# Allegro board AX7021-2019-04-01.brd (continued)
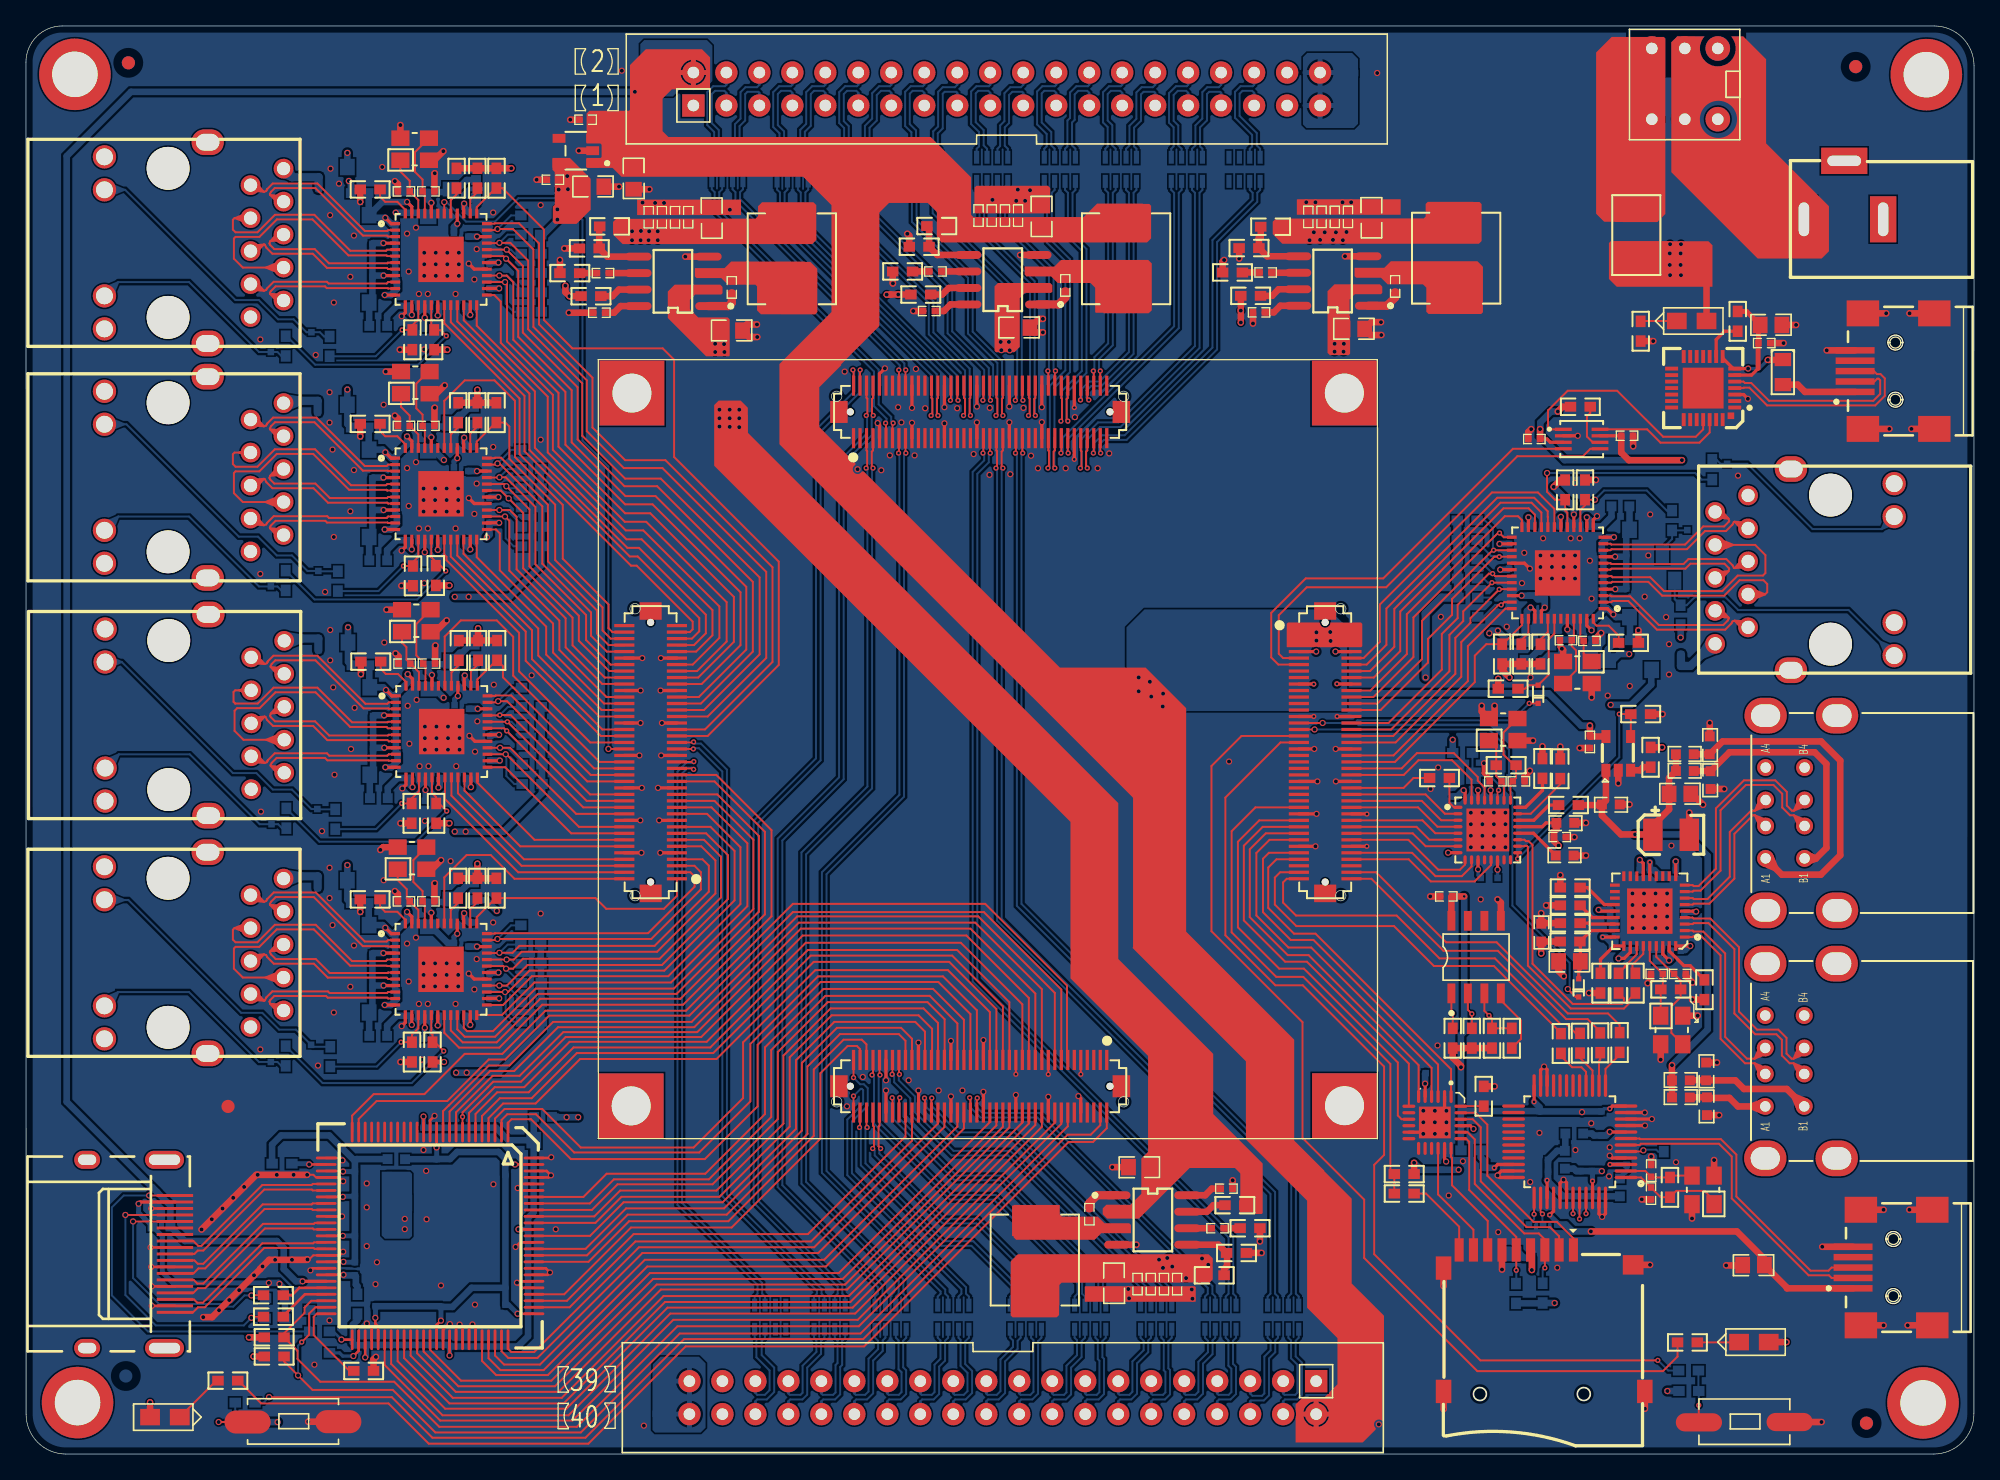
[diagram p0: board, top side]
## Routing (per net, layer and track width the routed paths; a pad name or vN(x,y) marks a point on that pad's centre or on a via; arc(x,y) is an arc through that point) (continued)
PL_LED: length 80.2
  TOP w0.152: CON4.2 83.23,25.1 82.17,24.04 80.29,24.04 64.54,8.29 50.8,8.29 43.31,0.8 31.01,0.8 27.92,3.9 18.11,3.9 16.36,5.65 R133.1
PS_KEY: length 76.4
  TOP w0.152: v2(125.66,7.21) 112,7.21 103.82,15.39 103.82,22.28 104.58,23.04 104.58,29.84 98.32,36.11 96.21,36.11 92.36,39.96 92.36,50.57 96.6,54.81 CON1.37
  BOTTOM w0.152: R121.2 126.46,6.43 125.68,7.21 v2(125.66,7.21)
PS_LED: length 79.8
  TOP w0.152: R131.1 127.18,7.51 126.05,6.39 111.76,6.39 103.05,15.1 103.05,19.6 98.3,24.35 98.3,33.26 91.29,40.27 91.29,53 93.6,55.31 CON1.35
RGMII_VCC: length 98.7
  TOP w0.254: U12.34 v1(34.73,75.71) ; U12.16 v1(30.71,69.46) ; U11.34 v1(34.78,57.4) ; U13.16 v1(30.71,87.52) ; U11.40 v1(33.26,58.39) ; U10.40 v1(33.21,40.08) ; U12.40 v1(33.21,76.71) ; U10.16 v1(30.71,32.84) ; U11.16 v1(30.76,51.15) ; U10.34 v1(34.73,39.09) ; U13.34 v1(34.73,93.77) ; U13.40 v1(33.21,94.77)
  TOP w0.381: R60.2 v1(32.2,30.2)
  TOP w0.508: R76.2 R71.1 ; R71.1 R72.2 ; R71.1 v1(34.81,63.6) ; R85.1 v1(34.76,81.98) ; R85.1 R86.2 ; R85.1 R90.2 ; R102.2 v1(32.45,85.06) ; R57.1 v1(34.76,45.47) ; R57.1 R58.2 ; R57.1 R62.2 ; R104.2 R99.1 R100.2 v1(37.38,99.03) ; R74.2 v1(32.6,48.59) ; R88.2 v1(32.6,66.9)
  BOTTOM w0.381: C84.1 32.95,39.82 v1(33.21,40.08) ; v1(30.71,69.46) 30.67,69.42 C135.1 ; v1(30.76,51.15) 30.72,51.1 C111.1 ; C109.1 33,58.14 v1(33.26,58.39) ; C137.1 32.95,76.45 v1(33.21,76.71) ; v1(30.71,32.84) 30.67,32.79 C83.1
  BOTTOM w0.508: v1(34.78,57.4) 34.78,57.4 C110.1 ; v1(30.71,87.52) 30.67,87.48 C161.1 ; v1(33.02,66.03) v1(34.09,66.03) 37.24,66.03 39.68,68.47 R91.2 R92.2 R93.2 39.66,72.95 R94.2 39.63,74.42 R89.2 ; v1(33.12,29.37) v1(33.94,29.37) 36.4,29.37 39.68,32.66 R63.2 R64.2 R65.2 39.66,36.32 R66.2 39.63,37.79 R61.2 ; C82.1 31.23,40.61 32.47,39.37 C84.1 ; C134.1 31.51,77.24 v1(32.18,76.57) ; C85.1 34.73,39.09 v1(34.73,39.09) ; C163.1 32.95,94.51 v1(33.21,94.77) ; v1(33.02,47.94) v1(33.86,47.94) 36.78,47.94 39.74,50.9 R77.2 R78.2 R79.2 39.71,54.63 R80.2 39.68,56.11 R75.2 ; C136.1 34.07,75.71 v1(34.73,75.71) ; v1(40.92,95.87) v1(40.92,95.08) 40.92,95.01 39.84,93.93 R103.2 39.63,92.48 R108.2 39.66,91 R107.2 R106.2 R105.2 ; C160.1 v1(24.75,100.22) ; v1(34.73,93.77) 34.73,93.78 C162.1 ; C108.1 31.48,58.93 v1(32.16,58.25)
  vias: v1(41.02,97.4) v1(41.68,98.44) v1(41.73,97.42)
SD_CD: length 40.3
  TOP w0.152: R20.2 R19.1 105.06,21.87 105.06,30.05 98.36,36.75 96.28,36.75 92.84,40.19 92.84,47.97 94.68,49.81 CON1.57
SD_CLK: length 33.6
  TOP w0.152: U5.9 105.93,25.79 105.64,26.08 105.64,30.16 98.41,37.39 96.5,37.39 93.32,40.57 93.32,47.16 94.97,48.81 CON1.61
SD_CMD: length 29.1
  TOP w0.152: CON1.67 95.76,47.31 94.75,46.3 94.75,41.48 97.22,39.01 98.97,39.01 108.24,29.74 U5.4
SD_D0: length 29.7
  TOP w0.152: U5.6 107.24,29.96 98.77,38.43 97.16,38.43 94.24,41.36 94.24,46.58 95.47,47.81 CON1.65
SD_D1: length 31.2
  TOP w0.152: U5.7 106.49,26.79 106.49,30.07 98.64,37.92 96.96,37.92 93.78,41.1 93.78,46.86 95.24,48.31 CON1.63
SD_D2: length 27.1
  TOP w0.152: U5.1 109.74,29.64 99.3,40.08 97.65,40.08 95.66,42.07 95.66,45.18 96.3,45.81 CON1.73
SD_D3: length 27.9
  TOP w0.152: CON1.71 95.71,46.31 95.25,45.85 95.25,41.74 97.39,39.6 99.15,39.6 108.74,30.01 U5.3
TX_0N: length 13.7
  TOP w0.152: J9.9 12.97,14.91 13.23,14.66 13.65,14.66 18.23,19.23 22,19.23 22.08,19.3 U9.33
TX_0P: length 13.7
  TOP w0.152: J9.7 12.9,13.91 13.29,14.3 13.8,14.3 18.37,18.87 22.01,18.87 22.08,18.8 U9.34
TX_1N: length 13.7
  TOP w0.152: J9.6 12.91,13.41 13.19,13.13 13.65,13.13 18.25,17.73 22.17,17.73 22.24,17.8 U9.36
TX_1P: length 13.7
  TOP w0.152: U9.37 22.16,17.3 22.09,17.37 18.4,17.37 13.8,12.78 13.25,12.78 12.89,12.41 J9.4
TX_2N: length 13.7
  TOP w0.152: U9.39 22.19,16.31 22.12,16.23 18.2,16.23 13.63,11.66 13.19,11.66 12.94,11.91 J9.3
TX_2P: length 13.7
  TOP w0.152: J9.1 12.86,10.91 13.25,11.3 13.78,11.3 18.35,15.88 22.15,15.88 22.22,15.8 U9.40
TX_CN: length 13.8
  TOP w0.152: J9.12 12.88,16.41 13.27,16.03 13.5,16.03 18.2,20.73 22,20.73 22.08,20.8 U9.30
TX_CP: length 13.7
  TOP w0.152: J9.10 12.97,15.41 13.23,15.67 13.65,15.67 18.35,20.37 22.01,20.37 22.08,20.3 U9.31
UART_RX: length 34.7
  TOP w0.152: U4.5 120.47,77.43 119.9,76.86 114.84,76.86 104.75,66.76 98.63,66.76 96.47,64.61 96.47,61.64 96.8,61.31 CON1.11
UART_TX: length 33.5
  TOP w0.152: CON1.13 96.44,60.81 95.89,61.36 95.89,64.79 98.55,67.45 104.52,67.45 114.5,77.43 U4.4
USB2_5V: length 42.9
  TOP w0.508: v1(126.75,29.95) L29.2 L26.2 ; C64.1 121.31,49.99 R40.1 ; C64.1 121.67,50.35 U8.1 ; C64.1 121.36,49.19 122.82,47.73 v1(123.91,47.73) 125.25,47.73 C63.1 125.28,48.41 126.53,49.66 C62.1 126.53,52.08 L30.2 L27.2
  BOTTOM w0.508: v1(123.91,47.73) 127.85,47.73 129.5,46.08 129.5,32.7 v1(126.75,29.95)
USB_5V: length 27.5
  TOP w0.254: U1.40 117.63,18.71 v2(117.33,18.41)
  TOP w0.508: J1.1 135.61,12.76 135.61,12.81 C2.1 133.87,15.02 131.75,17.14 v1(120.51,17.14)
  BOTTOM w0.381: C1.1 117.92,17.83 v2(117.33,18.41)
  BOTTOM w0.508: v1(120.51,17.14) 119.11,17.14 118.58,17.68 C1.1
USB_DM: length 2.7
  TOP w0.152: U18.30 124.04,38.49 123.11,37.56 123.11,37.5 R150.2
USB_DP: length 2.5
  TOP w0.152: R151.2 123.71,37.26 123.71,37.69 124.54,38.53 U18.31
USB_VBUS: length 3.6
  TOP w0.254: U7.22 116.11,48.82 117.28,49.99 R40.2
VIDEO1_AVCC: length 28.2
  TOP w0.203: U9.28 24.37,21.8 v1(24.41,21.76) ; U9.42 v1(24.45,14.8) ; U9.38 v1(24.4,16.8) ; U9.32 v1(24.4,19.8)
  BOTTOM w0.381: C79.1 v1(24.41,21.76) ; v1(24.45,14.8) 24.48,14.77 C78.1 ; C77.1 24.45,19.85 v1(24.4,19.8) ; C80.1 v1(24.4,16.8)
  BOTTOM w0.508: R51.2 18.95,23.84 19.65,24.54 23.36,24.54 25.33,22.57 ; L9.1 25.48,22.72 25.33,22.57 ; 25.33,22.57 C79.1 C77.1 C80.1 C78.1
VIDEO1_CORE: length 42.2
  TOP w0.203: U9.55 27.12,9.82 26.9,10.04 v1(26.9,10.49) ; U9.76 v1(37.86,10.8) ; U9.64 31.62,9.94 v1(31.96,10.28) ; U9.99 v1(37.66,22.3) ; U9.12 v1(31.62,23.61)
  BOTTOM w0.381: C74.1 37.15,11.51 v1(37.86,10.8) ; v1(37.66,22.3) 37.57,22.39 C69.1 ; C71.1 v1(31.96,10.28) ; C72.1 31.63,23.51 31.62,23.52 v1(31.62,23.61) ; v1(26.9,10.49) 26.92,10.51 C73.1
  BOTTOM w0.508: 36.92,12.8 34.32,12.8 32.85,11.33 C71.1 31.91,11.38 C73.1 ; 36.92,12.8 C74.1 ; 36.92,12.8 36.92,21.49 C70.1 C69.1 36.91,22.75 36.39,23.27 33.2,23.27 32.66,22.72 C72.1 31.61,22.71 L8.1
VIDEO1_VCCIO: length 50.6
  TOP w0.203: v1(37.93,17.31) 37.93,17.3 U9.89 ; v1(30.61,26) 30.61,24.81 U9.14 ; U9.66 v1(32.62,7.59) ; U9.53 v1(26.12,7.44)
  BOTTOM w0.381: v1(26.12,7.44) 26.22,7.55 C67.1 ; C66.1 v1(37.93,17.31) ; C75.1 v1(30.61,26) ; v1(32.62,7.59) 32.62,8.3 C68.1
  BOTTOM w0.508: R43.2 25.53,10.31 25.18,9.96 25.18,8.55 25.34,8.38 26.2,8.38 C67.1 32.56,8.41 C68.1 32.68,8.28 37.88,8.28 38.66,9.07 C66.1 38.66,18.19 39.09,18.62 39.09,24.17 ; 39.09,24.17 37.15,24.17 36.19,25.14 C75.1 ; 39.09,24.17 C65.1 39.1,25.94 L7.2
VPHY: length 3.8
  TOP w0.254: U1.3 v2(121.98,22.3)
  BOTTOM w0.381: L2.2 122.74,21.29 123.28,21.82 123.28,22.25 C15.1 123.22,22.3 v2(121.98,22.3)
VPLL: length 3.5
  TOP w0.254: v1(121.96,24.82) 121.97,24.8 U1.8
  BOTTOM w0.508: L1.2 120.58,24.69 120.74,24.54 C13.1 121.68,24.54 v1(121.96,24.82)
VUSB_V_EN: length 17.5
  TOP w0.152: U8.4 123.58,55.28 R42.2 123.58,57 v2(122.69,57) ; U7.17 v2(114.87,45.85)
  BOTTOM w0.152: v2(122.69,57) 122.69,53.67 v2(114.87,45.85)
N16524379: length 15.9
  TOP w0.152: J3.1 119.16,16.61 117.89,17.88 116.09,17.88 112.53,21.44 112.53,25.37 111.62,26.29 U5.23
N16524383: length 14.8
  TOP w0.152: J3.2 118.06,16.77 117.36,17.48 115.55,17.48 112.02,21.01 112.02,25.17 111.41,25.79 U5.22
N16524395: length 15.3
  TOP w0.152: U5.20 111.01,24.79 111.57,24.23 111.57,20.8 115.38,16.99 116.49,16.99 116.96,16.53 J3.3 v2(116.96,14.34)
  BOTTOM w0.152: R17.1 116.8,14.18 v2(116.96,14.34)
N16524421: length 13.2
  TOP w0.152: U5.19 110.9,24.29 111.13,24.05 111.13,20.35 114.76,16.72 J3.5 v2(114.76,14.15)
  BOTTOM w0.152: v2(114.76,14.15) 114.76,13.15 R16.1
N16524425: length 9
  TOP w0.152: J3.7 112.56,17.95 109.81,20.7 109.81,22.81 109.74,22.89 U5.18
N16524429: length 8.9
  TOP w0.152: J3.8 111.46,17.28 108.74,20 U5.16
N16546528: length 1.8
  TOP w0.152: R18.2 110.5,26.8 U5.24
N16579258: length 6.3
  TOP w0.152: R20.1 107.81,20.06 110.36,17.51 J3.9
N17782910: length 1.3
  TOP w0.508: C219.2 93.67,91.01 R148.1
N17782935: length 5
  TOP w0.508: R144.2 95.08,93.78 95.01,93.7 94.94,93.7 R146.1 95.57,92.26 U15.5
N17783038: length 2.8
  TOP w0.508: U15.8 96.59,88.45 96.08,87.94 C207.1
N17783063: length 2.7
  TOP w0.635: U15.1 104.8,88.45 105.43,89.08 C203.1
N17783146: length 2.1
  TOP w0.508: C219.1 95.93,90.99 U15.6
N17783175: length 3.1
  TOP w0.508: R142.2 95.96,89.21 96.46,89.72 U15.7
N17785653: length 1.3
  TOP w0.508: C220.2 93.49,17.39 R149.1
N17785669: length 5.1
  TOP w0.508: R145.2 92.26,14.25 92.49,14.48 92.49,15.46 R147.1 91.82,16.12 U16.5
N17785770: length 2.8
  TOP w0.508: U16.8 90.8,19.93 91.31,20.44 C213.1
N17785797: length 2.8
  TOP w0.635: C204.1 81.89,19.34 82.48,19.93 U16.1
N17785889: length 1.9
  TOP w0.508: C220.1 U16.6
N17785909: length 3.1
  TOP w0.508: R143.2 91.44,19.17 90.93,18.66 U16.7
N19660798: length 1.3
  TOP w0.508: R141.1 68.27,91.09 C202.2
N19660814: length 4.9
  TOP w0.508: U14.5 70.17,92.36 R140.1 69.54,94.42 R139.2
N19660902: length 2.8
  TOP w0.508: U14.8 71.19,88.55 70.68,88.04 C196.1
N19660925: length 2.8
  TOP w0.635: C194.1 80.03,89.06 79.52,88.55 U14.1
N19661019: length 2.1
  TOP w0.508: C202.1 U14.6
N19661039: length 3.1
  TOP w0.508: R138.2 70.56,89.32 71.06,89.82 U14.7
N20033644: length 2.8
  TOP w0.152: R137.2 124.36,87.27 LED9.2
N20065139: length 8.2
  TOP w0.152: U1.1 124.36,21.3 C244.2 125.89,19.78 R164.2 127.09,20.27 129.25,20.27 129.99,19.52 Y1.1
N20065143: length 5.3
  TOP w0.152: Y1.3 126.74,21.45 R164.1 125.2,21.3 C243.2 124.7,21.8 U1.2
N20065179: length 3
  TOP w0.152: U1.13 121.63,29.67 122.72,30.76 R3.2
N20065181: length 3.7
  TOP w0.152: R6.2 118.2,30.65 119.06,29.79 119.78,29.79 120.13,29.44 U1.16
N20065207: length 2.9
  TOP w0.152: U1.15 120.63,29.54 119.67,30.5 R5.2
N20065314: length 5.2
  TOP w0.152: R12.2 115.12,31.98 115.12,33.4 113.57,34.95 U2.4
N20065556: length 2.6
  TOP w0.152: R4.2 121.22,30.38 121.13,30.29 U1.14
N20065715: length 2.1
  TOP w0.152: U1.38 116.63,18.63 v2(116.77,18.49)
  BOTTOM w0.152: v2(116.77,18.49) 116.77,17.75 C3.2
N20065717: length 2.2
  TOP w0.152: U1.37 v2(116.13,18.47)
  BOTTOM w0.152: C4.2 116.13,18.08 v2(116.13,18.47)
N20065767: length 23.7
  TOP w0.152: J1.3 139.04,14.36 138.8,14.12 137.42,14.12 131.71,19.84 131.71,23.06 130.52,24.26 124.3,24.26 124.26,24.3 U1.7
N20065769: length 23.7
  TOP w0.152: U1.6 124.26,23.8 124.35,23.9 130.37,23.9 131.35,22.92 131.35,19.69 137.28,13.77 138.84,13.77 139.04,13.56 J1.2
N20065771: length 3.8
  TOP w0.254: U1.34 113.32,22.3 v2(113.07,22.05)
  BOTTOM w0.508: R7.2 112.02,22.86 112.35,22.53 C5.1 v2(113.07,22.05)
N20065803: length 3
  TOP w0.152: U1.5 124.46,23.3 v1(124.55,23.39)
  BOTTOM w0.152: v1(124.55,23.39) 124.6,23.44 125.54,23.44 125.69,23.29 R8.2
N20114690: length 3.4
  TOP w0.254: U7.24 115.48,49.82 116.78,51.12 R39.2
N20114742: length 1.6
  TOP w0.508: R41.2 124.53,52.91 124.29,52.67 U8.3
N20114878: length 7.4
  TOP w0.152: Y3.3 113.78,55.58 113.78,53.87 114.59,53.06 R38.1 114.74,52.07 C60.2 114.32,51.65 U7.25
N20114880: length 5.1
  TOP w0.152: Y3.1 113.22,54.39 R38.2 113.22,52.22 C59.2 113.82,51.62 U7.26
N20115212: length 3.6
  TOP w0.254: C58.2 116.08,47.82 U7.20
N20115232: length 5.3
  TOP w0.152: v2(113.4,51.13) 113.32,51.05 U7.27
  BOTTOM w0.152: R36.1 111.39,52.32 C57.1 112.72,52.25 D2.2 113.42,51.55 113.42,51.16 v2(113.4,51.13)
N20115313: length 2.7
  TOP w0.152: U7.1 109.96,49.82 109.61,50.16 R37.2
N20195664: length 2.2
  TOP w0.152: U6.38 115.69,63.23 115.14,62.68 R23.2
N20195671: length 3.4
  BOTTOM w0.152: Q9.1 126.01,69.73 126.76,70.48 R22.2 127.91,71.14 C49.1
N20195680: length 4.2
  BOTTOM w0.635: C51.1 C50.1 128.18,60.71 129.88,62.41 J4.P1
N20195684: length 16.6
  BOTTOM w0.152: J4.13 142.9,71.25 137.58,71.25 132.55,76.28 C48.1 130.49,76.28 130.18,76.58 R21.2
N20195708: length 3.2
  TOP w0.152: R25.2 122.64,63.04 121.88,63.8 120.94,63.8 120.69,64.05 U6.48
N20195716: length 20.6
  BOTTOM w0.152: Q9.3 126.96,65.84 R111.2 127.88,65.38 128.5,66 130.86,66 131.85,65.01 140.35,65.01 J4.11
N20195754: length 3.7
  TOP w0.152: Y2.1 119.95,61.67 C46.1 119.69,62.89 U6.46
N20195755: length 5.6
  TOP w0.152: U6.45 119.19,62.85 C47.1 119.03,62.23 119.36,61.9 119.36,60.35 Y2.3
N20195776: length 7.3
  TOP w0.152: U6.42 117.69,63.2 117.26,62.76 117.26,60.03 D1.2 115.7,59.22 115.43,58.95 R26.1
N20203155: length 2.2
  TOP w0.152: U10.38 34.21,41.97 34.76,42.52 R57.2
N20203170: length 22.1
  BOTTOM w0.152: R56.2 22.11,31.37 C105.1 20.79,32.69 19.49,32.69 18.2,33.99 16.57,33.99 7.88,42.67 6.07,42.67 J10.12
N20203188: length 3.6
  BOTTOM w0.635: J10.P1 20.01,44.5 C106.1 C107.1
N20203196: length 16.8
  BOTTOM w0.152: J10.13 7.11,35.58 7.11,35.59 12.56,35.59 17.94,30.2 C104.1 19.36,30.2 19.67,29.9 R55.2
N20203244: length 3.2
  TOP w0.152: R59.2 27.26,42.16 27.66,41.77 28.6,41.77 29.21,41.16 U10.48
N20203359: length 4.8
  TOP w0.152: U10.46 30.21,41.91 C102.1 29.32,42.8 29.32,43.51 28.63,44.2 Y4.1
N20203361: length 6.7
  TOP w0.152: U10.45 30.71,42.4 C103.1 30.54,43.36 29.83,44.07 29.83,45.75 Y4.3
N20205791: length 2.2
  TOP w0.152: R99.2 34.76,97.21 34.21,96.66 U13.38
N20205798: length 22
  BOTTOM w0.152: R98.2 22.96,86.08 22.63,86.41 C183.1 21.6,86.41 20.61,87.4 19.42,87.4 17.93,88.89 16.13,88.89 7.63,97.38 J13.12
N20205807: length 3.9
  BOTTOM w0.635: J13.P1 20.5,98.35 C184.1 C185.1
N20205811: length 16.8
  BOTTOM w0.152: 6.04,89.21 7.11,90.27 12.56,90.27 17.94,84.89 C182.1 19.36,84.89 19.67,84.58 R97.2
N20205835: length 3.2
  TOP w0.152: U13.48 29.21,95.84 28.6,96.46 27.66,96.46 27.26,96.85 R101.2
N20205881: length 4.7
  TOP w0.152: Y7.1 28.83,98.79 29.55,98.07 C180.1 30.21,96.6 U13.46
N20205882: length 6.6
  TOP w0.152: U13.45 30.71,97.09 C181.1 30.54,98.17 29.96,98.76 29.96,100.28 Y7.3
N20213445: length 2.2
  TOP w0.152: U11.38 34.26,60.29 34.81,60.84 R71.2
N20213452: length 22.4
  BOTTOM w0.152: J11.12 7.38,61.01 15.94,52.45 17.74,52.45 19.01,51.18 20.48,51.18 21.98,49.68 C131.1 22.46,49.66 R70.2
N20213461: length 3.6
  BOTTOM w0.635: J11.P1 20.06,62.81 C132.1 C133.1
N20213465: length 16.8
  BOTTOM w0.152: J11.13 7.16,53.9 12.61,53.9 17.99,48.51 C130.1 19.42,48.51 19.72,48.21 R69.2
N20213489: length 3.2
  TOP w0.152: U11.48 29.26,59.47 28.65,60.08 27.71,60.08 27.31,60.48 R73.2
N20213535: length 4.7
  TOP w0.152: Y5.1 28.96,62.49 29.3,62.15 29.3,61.19 C128.1 30.26,60.22 U11.46
N20213536: length 6.6
  TOP w0.152: U11.45 30.76,60.71 C129.1 30.59,60.99 30.06,61.52 30.06,63.94 Y5.3
N20215188: length 2.2
  TOP w0.152: U12.38 34.21,78.6 34.76,79.15 R85.2
N20215195: length 22.7
  BOTTOM w0.152: R84.2 22.54,68 C157.1 21.68,68.02 20.48,69.22 19.31,69.22 17.87,70.66 16.39,70.66 7.74,79.32 J12.12
N20215204: length 3.6
  BOTTOM w0.635: C159.1 C158.1 20.01,81.13 J12.P1
N20215208: length 16.8
  BOTTOM w0.152: J12.13 7.11,72.21 12.56,72.21 17.94,66.83 C156.1 19.36,66.83 19.67,66.52 R83.2
N20215232: length 3.2
  TOP w0.152: U12.48 29.21,77.78 28.6,78.4 27.66,78.4 27.26,78.79 R87.2
N20215278: length 4.7
  TOP w0.152: U12.46 30.21,78.54 C154.1 29.55,79.98 28.88,80.65 Y6.1
N20215279: length 6.6
  TOP w0.152: U12.45 30.71,79.03 C155.1 30.54,80.06 30.06,80.54 30.06,82.45 30.98,83.37 Y6.3
N20218751: length 3.8
  TOP w0.203: U9.44 v1(24.45,13.8)
  BOTTOM w0.508: R43.1 25.53,12.92 25.4,13.05 25.4,13.68 C76.2 24.5,13.76 v1(24.45,13.8)
N20218864: length 2.7
  TOP w0.203: v1(21.81,22.3) U9.27
  BOTTOM w0.381: R51.1 21.75,22.37 v1(21.81,22.3)
N20218993: length 4.1
  TOP w0.203: R45.1 19.82,10.64 21.48,12.3 U9.47
N20218995: length 3.5
  TOP w0.203: R44.1 20.47,12.23 21.05,12.8 U9.46
N20218997: length 2
  TOP w0.203: v1(24.29,8.81) 25.11,8.81 U9.51
  BOTTOM w0.203: R47.1 23.66,9.44 v1(24.29,8.81)
N20218999: length 3.4
  TOP w0.203: v1(25.21,7.55) 25.62,7.95 U9.52
  BOTTOM w0.254: v1(25.21,7.55) 24.39,7.55 24.15,7.79 R46.1
N20219151: length 6.7
  TOP w0.152: U9.50 22.4,10.8 22.16,10.57 22.16,9.16 24.91,6.4 R50.1
N20246377: length 5
  TOP w0.152: v1(14.83,2.47) KEY2.1
  BOTTOM w0.152: R129.1 R123.1 14.84,2.46 v1(14.83,2.47)
N20246467: length 4.1
  TOP w0.152: R133.2 14.65,5.65 LED2.2
N20257827: length 3.2
  TOP w0.152: LED1.2 131.89,8.6 R131.2
N20257996: length 4
  TOP w0.152: v2(128.81,3.76) 128.81,2.45 KEY1.1
  BOTTOM w0.152: v2(128.81,3.76) R119.1 128.79,4.88 R121.1
N20328280: length 5.4
  TOP w0.254: v1(132.61,83.61) U3.7 131.46,83.61 130.65,84.42 U3.8
  TOP w0.508: R161.1 135.26,84.28 v1(134.13,84.28)
  BOTTOM w0.254: v1(134.13,84.28) 133.46,83.61 v1(132.61,83.61)
N20328299: length 15.2
  TOP w0.152: J2.2 142.34,82.61 142.55,82.83 142.66,82.83 142.78,82.71 142.78,81.66 142.25,81.13 134.22,81.13 132.85,82.5 132.36,82.5 132.25,82.61 U3.5
N20328339: length 16.3
  TOP w0.152: J2.3 142.3,83.41 142.53,83.19 142.81,83.19 143.14,82.85 143.14,81.51 142.4,80.77 134.08,80.77 132.71,82.14 132.29,82.14 132.25,82.11 U3.4
N20328351: length 3.2
  TOP w0.254: U3.9 130.15,85.85 130.79,86.49 R159.1
N20328357: length 7.6
  TOP w0.254: U3.6 132.88,83.11 133.39,83.62
  TOP w0.381: R159.2 132.5,88.01 C221.1 133.41,86.84 C222.1 133.39,85.55 133.39,83.62
N20328387: length 10.2
  TOP w0.152: U3.26 129.65,78.69 128.86,77.9 125.87,77.9 124.84,78.93 U4.8
N20328389: length 17.6
  TOP w0.152: U4.1 117.4,78.93 117.21,79.12 117.21,80.39 118.72,81.9 122.53,81.9 126.07,78.36 128.58,78.36 129.15,78.93 U3.25
N20328497: length 5.8
  TOP w0.508: J2.1 136.99,81.81 136.43,82.37 R161.2
N20365659: length 6
  TOP w0.254: U18.26 120.51,40.32 R153.1 119.69,39.44 C236.1 119.69,37.36 119.57,37.24 D3.2
N20365863: length 3.3
  TOP w0.254: U18.28 122.28,39.13 121.24,38.1 R152.2
N20365866: length 3.2
  TOP w0.254: R154.2 120.23,43.63 121.54,42.32 U18.22
N20365873: length 3.1
  TOP w0.254: U18.24 120.62,41.32 R155.2
N20365876: length 2.7
  TOP w0.254: R156.2 120.36,40.89 120.42,40.82 U18.25
N20366975: length 3
  TOP w0.254: U18.34 126.04,38.51 v1(126.53,38.02)
  BOTTOM w0.508: C230.1 126.65,38.14 v1(126.53,38.02) 125.69,38.02 C231.1
N20366989: length 2.9
  TOP w0.254: U18.14 v2(125.04,45.58)
  BOTTOM w0.508: v2(125.04,45.58) 125.04,45 C232.1 125.39,44.98 125.84,44.53 C233.1
N20367850: length 9
  TOP w0.152: Y8.3 126.71,32.44 126.71,34.47 127.42,35.18 R157.1 127.42,36.47 C234.2 126.86,36.98 125.54,38.3 U18.33
N20367872: length 5.9
  TOP w0.152: Y8.1 125.88,35.78 R157.2 126.04,35.94 C235.2 125.04,37.99 U18.32
N20369652: length 4
  TOP w0.254: R158.2 128.15,37.62 127.67,37.62 126.54,38.75 U18.35
N20375664: length 2
  TOP w0.254: U18.27 v2(121.42,39.82)
  BOTTOM w0.508: v2(121.42,39.82) 121.66,39.82 R163.1
N20412965: length 1.3
  TOP w0.508: C252.2 42.65,90.96 R165.1
N20412981: length 5
  TOP w0.508: U17.5 44.77,92.23 R168.1 44.14,94.52 R167.2
N20413027: length 2.8
  TOP w0.508: C245.1 45.28,87.92 45.79,88.42 U17.8
N20413063: length 2.6
  TOP w0.635: C246.1 54.35,88.68 54.09,88.42 U17.1
N20413146: length 2.3
  TOP w0.508: U17.6 C252.1
N20413156: length 3.1
  TOP w0.508: R166.2 45.16,89.19 45.66,89.69 U17.7
N203282594: length 3.6
  TOP w0.152: R160.2 120.46,80.19 120.2,79.93 120.2,78.38 120.65,77.93 U4.6

## Copper pours and planes (outline as drawn; the poured copper is in the pictures)
GND on TOP (solid shape): 55.06,95.43 47.06,95.43 47.06,96.6 47.09,96.63 55.06,96.63
GND on TOP (solid shape): 105.86,95.46 97.86,95.46 97.86,96.63 97.89,96.65 105.86,96.65
GND on TOP (solid shape): 78.88,97.51 78.88,95.56 73.13,95.56 73.03,95.66 73.03,97.54 73.19,97.69 78.7,97.69
GND on TOP (solid shape): 90.08,12.85 90.08,11.76 90.05,11.73 81.53,11.73 81.53,12.92 90.01,12.92
GND on BOTTOM (solid shape): 80.88,81.16 81.01,80.93 81.27,80.87 81.36,80.9 81.43,80.95 81.52,80.99 81.61,80.95 81.7,80.89 81.85,80.85 81.88,80.82 81.09,80.04 81.09,80 80.76,79.67 80.54,79.67 80.48,79.77 80.39,79.85 80.39,81.16
GND on BOTTOM (solid shape): 9.86,19.73 9.96,19.69 10.69,18.96 10.69,18.03 10.61,18.03 10.61,17.49 10.54,17.37 10.4,17.4 10.26,17.54 10.26,18.03 9.76,18.03 9.26,18.54 9.24,18.54 9.04,18.75 9.04,19.28 9.03,19.38 8.99,19.47 8.99,19.6 9.1,19.66 9.22,19.66 9.5,19.55 9.77,19.68
GND on BOTTOM (solid shape): 9.86,19.73 9.96,19.69 10.69,18.96 10.69,18.03 10.61,18.03 10.61,17.49 10.54,17.37 10.4,17.4 10.26,17.54 10.26,18.03 9.76,18.03 9.26,18.54 9.24,18.54 9.04,18.75 9.04,19.28 9.03,19.38 8.99,19.47 8.99,19.6 9.1,19.66 9.22,19.66 9.5,19.55 9.77,19.68
GND on BOTTOM (solid shape): outline of 30482 points within 0.51,0.51 149.5,109.49
GND on SGND (solid shape): outline of 32772 points within 0.51,0.51 149.5,109.49
VCC1V2 on TOP (solid shape): 60.86,96.2 60.86,93.51 60.55,93.2 45.94,93.2 45.21,93.94 45.21,94.9 45.49,95.18 46.02,95.18 46.06,95.14 47.68,95.14 47.7,95.15 56.18,95.15 56.37,95.35 56.37,96.11 56.68,96.42 60.64,96.42
VCC1V2 on SVCC (solid shape): outline of 7092 points within 29.33,19.88 122.2,96.94
VCC1V8 on TOP (solid shape): 91.39,15.07 91.39,13.46 91.11,13.18 90.58,13.18 90.54,13.21 88.91,13.21 88.9,13.2 79.75,13.2 79.57,13.02 79.57,11.46 79.55,11.44 79.55,10.71 79.38,10.53 75.97,10.53 75.83,10.67 75.83,14.85 76.37,15.39 91.07,15.39
VCC1V8 on BOTTOM (solid shape): 29.73,21.59 29.73,16.79 29.52,16.59 27.65,16.59 27.39,16.84 27.39,21.74 29.58,21.74
VCC1V8 on SVCC (solid shape): outline of 3896 points within 28.67,11.71 126.57,80.9
VCC3V3 on TOP (solid shape): 111.47,96.44 111.93,96.44 112.09,96.28 112.09,93.43 111.88,93.22 96.74,93.22 96.01,93.96 96.01,94.93 96.29,95.21 96.82,95.21 96.86,95.17 98.48,95.17 98.5,95.18 107.64,95.18 107.78,95.32 107.78,96.29 107.94,96.45 111.46,96.45
VCC3V3 on BOTTOM (solid shape): outline of 158 points within 98.33,102.13 102.58,107.92
VCC3V3 on BOTTOM (solid shape): outline of 160 points within 48.24,1.65 52.33,7.49
VCC3V3 on SVCC (solid shape): outline of 27875 points within 0.51,0.51 149.5,109.49
VCC5V on TOP (solid shape): 99.65,64 100.04,63.66 100.44,64 100.45,64.05 102.8,64.05 102.9,63.95 102.9,62.22 102.82,62.15 100.99,62.15 100.97,62.15 100.84,62.18 100.7,62.15 100.69,62.15 99.5,62.15 99.49,62.15 99.35,62.18 99.21,62.15 99.2,62.15 97.11,62.15 97.08,62.17 97.08,63.95 97.19,64.05 99.64,64.05
VCC5V on TOP (solid shape): outline of 309 points within 43.17,0.89 104.57,108.2
VCC5V on BOTTOM (solid shape): outline of 83 points within 98.08,1.32 103.54,4.36
VCC5V on BOTTOM (solid shape): outline of 85 points within 47.3,104.57 52.85,108.92
VCC5V on BOTTOM (solid shape): outline of 246 points within 84.74,57.23 101.74,65.06
VCC12V on TOP (solid shape): 126.59,93.42 129.55,93.42 129.87,93.1 129.87,89.92 122.49,89.92 121.9,90.51 121.9,93.28 122.05,93.43 126.58,93.43
VCC12V on TOP (solid shape): 79.04,90.02 79.04,89.54 78.94,89.44 76.93,89.44 76.53,89.03 76.53,85.28 76.12,84.87 74.69,84.87 74.58,84.97 74.58,89.94 74.84,90.2 78.86,90.2
VCC12V on TOP (solid shape): 104.44,89.92 104.44,89.44 104.34,89.34 102.33,89.34 101.93,88.93 101.93,87.67 101.97,87.63 101.97,84.75 101.86,84.64 100.4,84.64 100.22,84.82 100.22,89.57 100.76,90.1 104.26,90.1
VCC12V on TOP (solid shape): 53.64,89.9 53.64,89.41 53.54,89.31 51.53,89.31 51.13,88.91 51.13,88.19 51.76,87.55 54.04,87.55 54.19,87.4 54.19,84.61 54.14,84.56 52.37,84.56 49.42,87.5 49.42,89.54 49.96,90.07 53.46,90.07
VCC12V on TOP (solid shape): 55.59,80.59 55.59,80.05 55.59,80.04 55.59,78.66 84.12,50.14 84.12,38.13 91.42,30.82 91.42,26.19 95.23,22.38 95.23,18.57 95.16,18.49 93.56,18.49 93.46,18.59 93.46,19.74 93.51,19.79 93.51,21.62 93.09,22.03 89.61,22.03 85.71,18.14 83.25,18.14 82.92,18.47 82.92,18.92 83.19,19.2 85.05,19.2 85.89,20.04 85.89,22.76 86.41,23.28 86.41,30.66 80.43,36.64 80.43,48.69 52.99,76.13 52.99,80.8 53.34,81.14 55.04,81.14
VCC12V on SVCC (solid shape): outline of 3739 points within 40.98,73.15 128.69,93.88
RGMII_VCC on TOP (solid shape): 43.49,98.23 43.49,95.85 42.39,94.75 40.72,94.75 40.57,94.91 40.57,96.07 40.72,96.23 40.72,98.74 40.54,98.92 40.54,99.83 41.89,99.83
RGMII_VCC on SVCC (solid shape): outline of 6037 points within 24.22,28.47 42.99,101.8
N17782912 on TOP (solid shape): 112.19,91.45 112.19,87.95 112.06,87.81 108.91,87.81 108.91,87.82 108,87.82 107.83,87.99 107.83,89.84 107.57,90.1 104.85,90.1 104.34,90.61 102.43,90.61 102.31,90.73 102.31,91.37 104.59,91.37 105.1,91.88 111.77,91.88
N17785655 on TOP (solid shape): 79.6,18.45 79.77,18.28 82.55,18.28 83.06,17.77 84.96,17.77 85.09,17.65 85.09,17.01 82.8,17.01 82.29,16.5 76.24,16.5 76.05,16.7 76.05,19.19 79.6,19.19
N17796323 on TOP (solid shape): outline of 162 points within 126.7,92.09 138.84,109.21
N19660800 on TOP (solid shape): 86.69,91.71 86.69,88.1 86.51,87.92 83.55,87.92 83.54,87.91 82.38,87.91 82.33,87.96 82.33,89.84 81.97,90.2 79.45,90.2 78.94,90.71 77.03,90.71 76.91,90.84 76.91,91.47 79.19,91.47 79.7,91.98 86.42,91.98
N19724336 on TOP (solid shape): 126.24,109.03 126.24,95.52 125.62,94.89 122.98,94.89 122.95,94.92 121.53,94.92 120.91,95.54 120.91,107.96 121.15,108.2 122.11,109.16 126.11,109.16
N20412967 on TOP (solid shape): 59.97,91.83 60.4,91.83 60.94,91.3 60.94,87.95 60.78,87.79 58.11,87.79 58.11,87.79 56.59,87.79 56.3,88.09 56.3,89.94 56.16,90.07 54.05,90.07 53.54,90.58 51.63,90.58 51.51,90.71 51.51,91.34 53.79,91.34 54.3,91.85 59.95,91.85
VBUS1 on TOP (solid shape): 134,26.78 133.69,26.17 132.79,26.54 132.64,26.78 132.79,27.01 133.69,27.38
VBUS2 on TOP (solid shape): 135.96,27.42 136.02,27.7 136.29,27.75 137.19,27.38 136.98,26.73 136.33,26.53
VBUS3 on TOP (solid shape): 134.93,45.24 134.88,44.96 134.6,44.9 133.71,45.27 133.92,45.92 134.56,46.13
VBUS4 on TOP (solid shape): 137.93,46.11 138.09,45.88 137.93,45.64 137.21,45.34 136.9,45.88 137.21,46.41
DN1 on TOP (solid shape): 133.04,30.07 133.06,30.15 133.14,30.17 134.08,29.78 133.95,29.26 133.43,29.13
DN2 on TOP (solid shape): 136.04,30.07 136.06,30.15 136.14,30.17 137.08,29.78 136.95,29.26 136.43,29.13
DN3 on TOP (solid shape): 133.07,49.17 133.08,49.25 133.17,49.27 134.11,48.88 133.97,48.36 133.46,48.23
DN4 on TOP (solid shape): 136.07,49.17 136.08,49.25 136.17,49.27 137.11,48.88 136.97,48.36 136.46,48.23
DP1 on TOP (solid shape): 133.95,31.29 134.08,30.77 133.14,30.38 133.06,30.4 133.04,30.48 133.43,31.43
DP2 on TOP (solid shape): 136.95,31.29 137.08,30.77 136.14,30.38 136.06,30.4 136.04,30.48 136.43,31.43
DP3 on TOP (solid shape): 133.97,50.39 134.11,49.88 133.17,49.49 133.08,49.5 133.07,49.58 133.46,50.53
DP4 on TOP (solid shape): 136.97,50.39 137.11,49.88 136.17,49.49 136.08,49.5 136.07,49.58 136.46,50.53
PHY1_MDI1_N on TOP (solid shape): 131.5,70.1 131.54,70.03 131.5,69.96 130.36,69.49 130.05,70.03 130.36,70.57
PHY1_MDI1_P on TOP (solid shape): 133.95,66.29 133.99,66.22 133.95,66.15 132.9,65.71 132.59,66.22 132.9,66.72
PHY2_MDI1_N on TOP (solid shape): 19.85,36.7 19.54,36.16 18.41,36.63 18.36,36.7 18.41,36.77 19.54,37.24
PHY2_MDI1_P on TOP (solid shape): 17.31,40.51 17,40.04 16.03,40.44 15.98,40.51 16.03,40.58 17,40.99
PHY3_MDI1_N on TOP (solid shape): 19.9,55.02 19.59,54.48 18.46,54.95 18.41,55.02 18.46,55.09 19.59,55.56
PHY4_MDI1_N on TOP (solid shape): 19.85,73.33 19.54,72.79 18.41,73.26 18.36,73.33 18.41,73.4 19.54,73.87
PHY5_MDI1_N on TOP (solid shape): 19.85,91.39 19.54,90.86 18.41,91.33 18.37,91.39 18.41,91.45 19.54,91.92
PHY5_MDI1_P on TOP (solid shape): 17.31,95.2 17,94.74 16.04,95.14 16,95.2 16.04,95.26 17,95.66
N20195680 on BOTTOM (solid shape): 130.13,62.46 130.33,61.73 129.12,61.23 128.75,61.32 128.73,61.7 129.41,62.74
N20195684 on BOTTOM (solid shape): 143.87,72.22 143.97,71.61 142.93,71.18 142.85,71.19 142.83,71.28 143.26,72.32
N20195716 on BOTTOM (solid shape): 142.71,62.55 142.72,62.64 142.8,62.65 144.02,62.15 143.87,61.48 143.21,61.33
N20203170 on BOTTOM (solid shape): 7.61,42.74 7.66,42.67 7.61,42.6 6.39,42.12 6.03,42.69 6.39,43.25
N20203188 on BOTTOM (solid shape): 21.26,44.81 21.53,44.54 21.33,44.21 20.13,43.71 19.76,44.31 20.06,45.01
N20203196 on BOTTOM (solid shape): 7.08,35.66 7.16,35.64 7.18,35.56 6.69,34.37 6.03,34.51 5.89,35.16
N20205798 on BOTTOM (solid shape): 7.61,97.45 7.66,97.38 7.61,97.31 6.39,96.8 6.03,97.38 6.39,97.95
N20205807 on BOTTOM (solid shape): 20.79,98.47 20.72,98.12 20.37,98.06 19.61,98.37 19.78,99.07 20.47,99.23
N20205811 on BOTTOM (solid shape): 7.08,90.34 7.16,90.33 7.18,90.24 6.69,89.06 6.03,89.2 5.89,89.85
N20213452 on BOTTOM (solid shape): 7.41,61.08 7.46,61.01 7.41,60.94 6.44,60.53 6.08,61.01 6.44,61.48
N20213461 on BOTTOM (solid shape): 21.31,63.13 21.58,62.85 21.38,62.52 20.18,62.02 19.81,62.63 20.11,63.33
N20213465 on BOTTOM (solid shape): 7.13,53.97 7.21,53.95 7.23,53.87 6.74,52.68 6.08,52.82 5.94,53.48
N20215195 on BOTTOM (solid shape): 7.61,79.39 7.66,79.32 7.61,79.25 6.39,78.74 6.03,79.32 6.39,79.9
N20215204 on BOTTOM (solid shape): 21.26,81.44 21.53,81.16 21.33,80.83 20.13,80.33 19.76,80.94 20.06,81.64
N20215208 on BOTTOM (solid shape): 7.08,72.28 7.16,72.27 7.18,72.18 6.69,71 6.03,71.14 5.89,71.79

Small or netless copper shapes (teardrops, artwork), in the pictures only: 32 on TOP, 68 on BOTTOM

## Text on the board
Ref Des/Silkscreen Top: 39 | 40 | 2 | 1
User.11: Notes: | 10.CONTROLLED IMPENDANCE 50 OHM/40 OHM +/-10% | 1.FINISHED PCB THICHNESS:1.6+/-0.2mm | 2.SOLDERMASK:{BLACK} | 3.SILKSCREEN: SM60W/PC521 {WHITE} OR EQUIVALENT | 4.MATERIAL:FR4 or Similar | 5.FINISH: IMMERSION GOLD : NICKEL 2.5um MINIMUM | 6.TOLERANCE: HOLES DIAMETER {NPTH} +/-0.003" | 7.LINE WIDTH/SPACING: +/-20% | 8.ALL VIAS ARE TENTED | 9.CONTROLLED DIFFERENTAIL IMPEDANCE 100 OHM/80 OHM/90 OHM +/-10% | {EDGE TO EDGE/CENTRE TO EDGE} +/-0.005" | LINE WITH IMPEDANCE CHART FOR REFERENCE | HOLES {CENTRE TO CENTRE} +/-0.003" | OUTLINE {DATUM TO HOLES} +/-0.003" | L1 | L4 | L2 | L3 | (GND) | (POWER) | LAYER 1      L1 TOP | LAYER 2      L2 GND | LAYER 3      L3 VCC | LAYER 4      L4 BOTTOM | {DATUM TO EDGE} +/-0.005" | SINGLE ENDED | 50ohm | WIDTH | - | TOP SIDE | GOLD 0.05um MINIMUM | 6mil | {PTH} +/-0.003" | (WIDTH/SPACE) | 6mil/8mil | 3.5mil/12mil | DIFF-PAIR | 100ohm | 0.5oz | 1oz
User.45: FIGURE | SIZE | 8.0 | 12.0 | 31.5 | 35.0 | 40.0 | 51.18 | 118.11 | 137.8 | 21.66 | 129.92 | 55.12x31.5 | 70.87x50.87 | 88.42x68.42 | 94.49x31.5 | 102.36x31.5 | DRILL CHART | ALL UNITS ARE IN MILS | TOLERANCE | +3.0/-3.0 | PLATED | NON-PLATED | QTY | 125 | 789 | 16 | 80 | 6 | 50 | 20 | 4 | 8 | 10 | 2 | 1
